# Altium PCB Stabilizer.PCBDOC (part 1 of 8)
Units mil, origin at the board's own origin, x right, y up, seen from the top; angles counter-clockwise.
Board outline 6397 x 3937 mil, 4 copper layers (Top, GP1(GND), L3, Bot), stack 64.883 mil thick; 687 components, 419 nets, 2137 pads, 1042 vias.
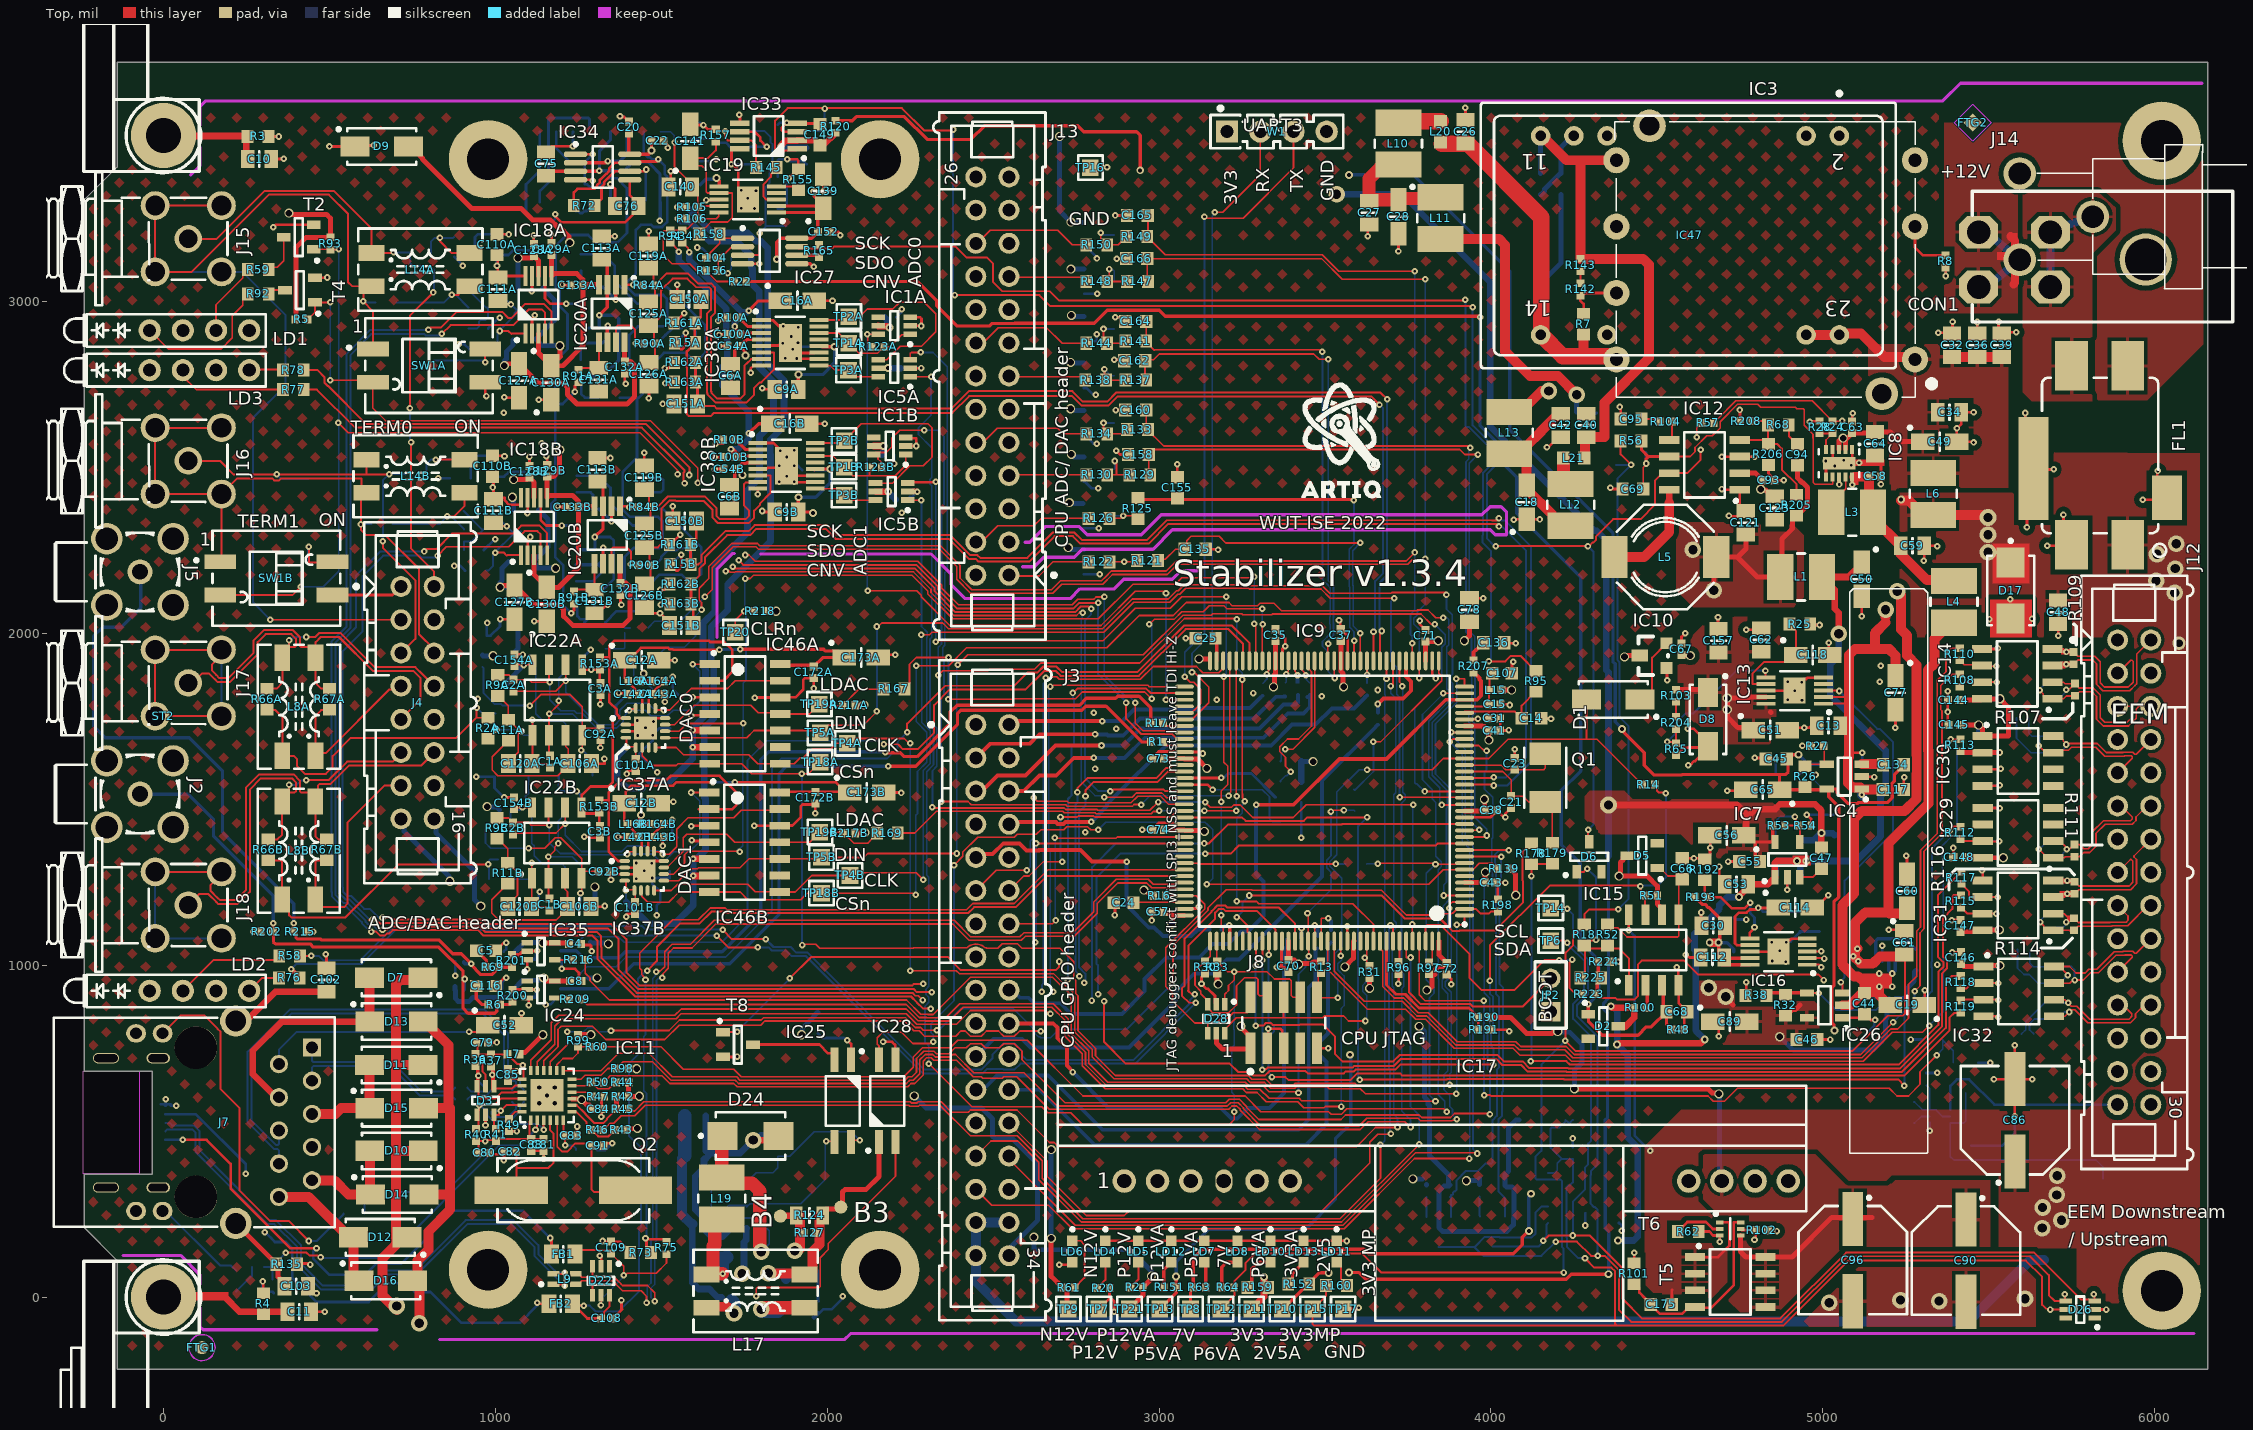
[diagram p0: Top view]
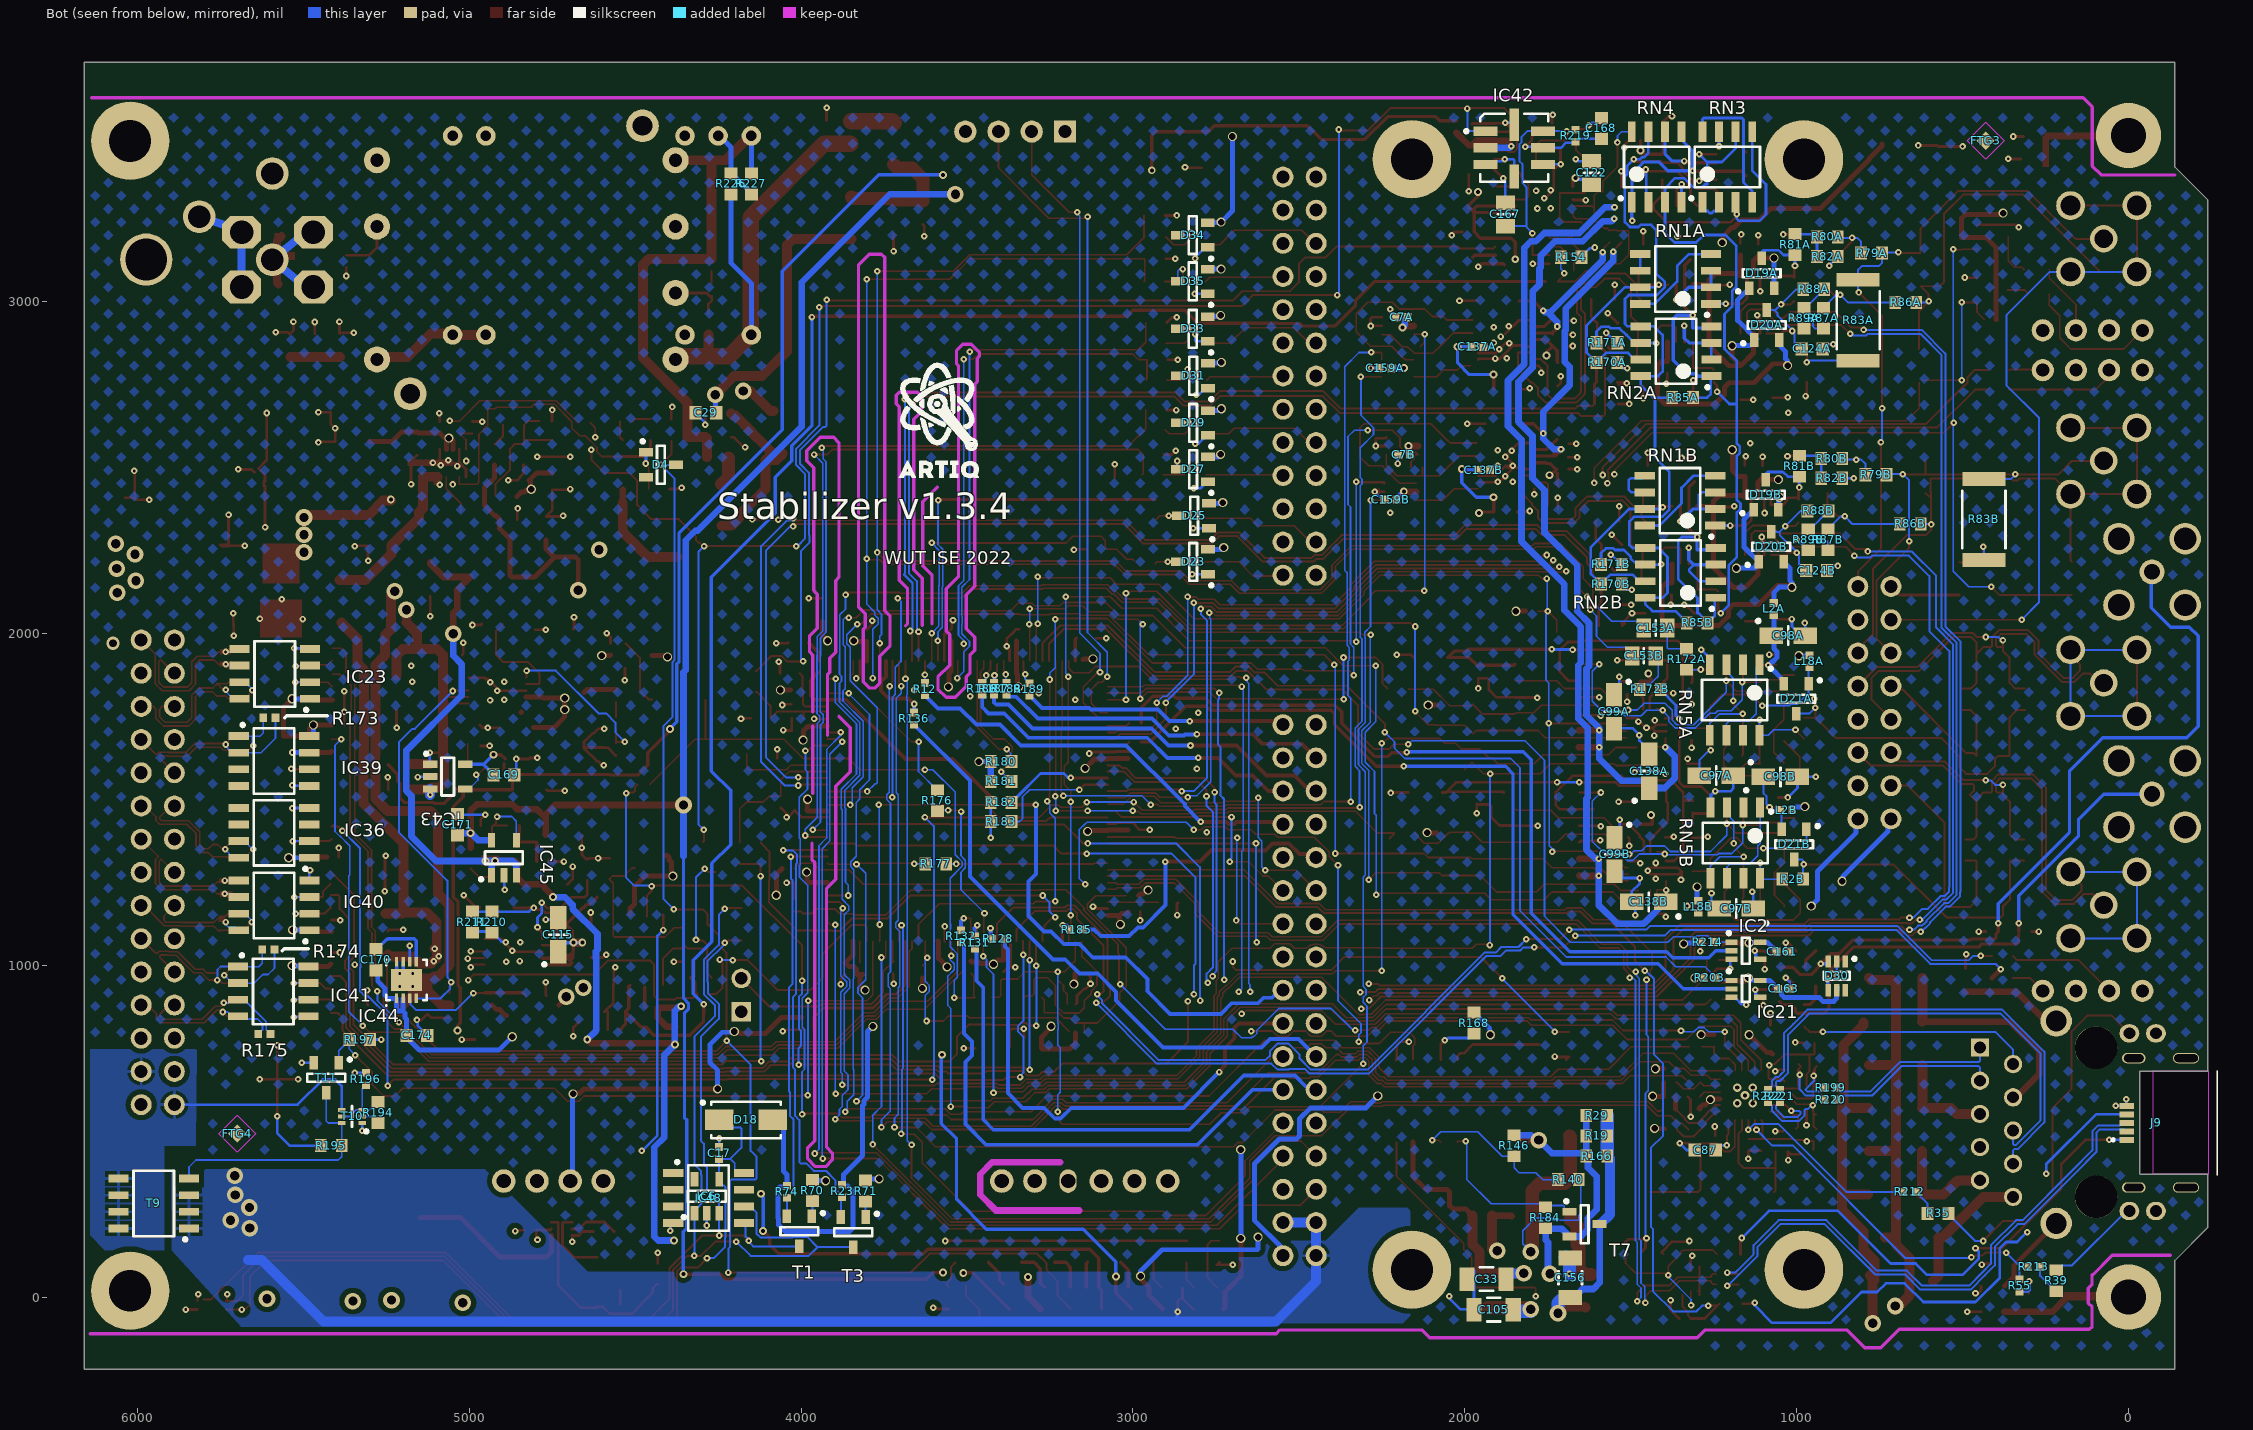
[diagram p1: Bot view, seen from below]
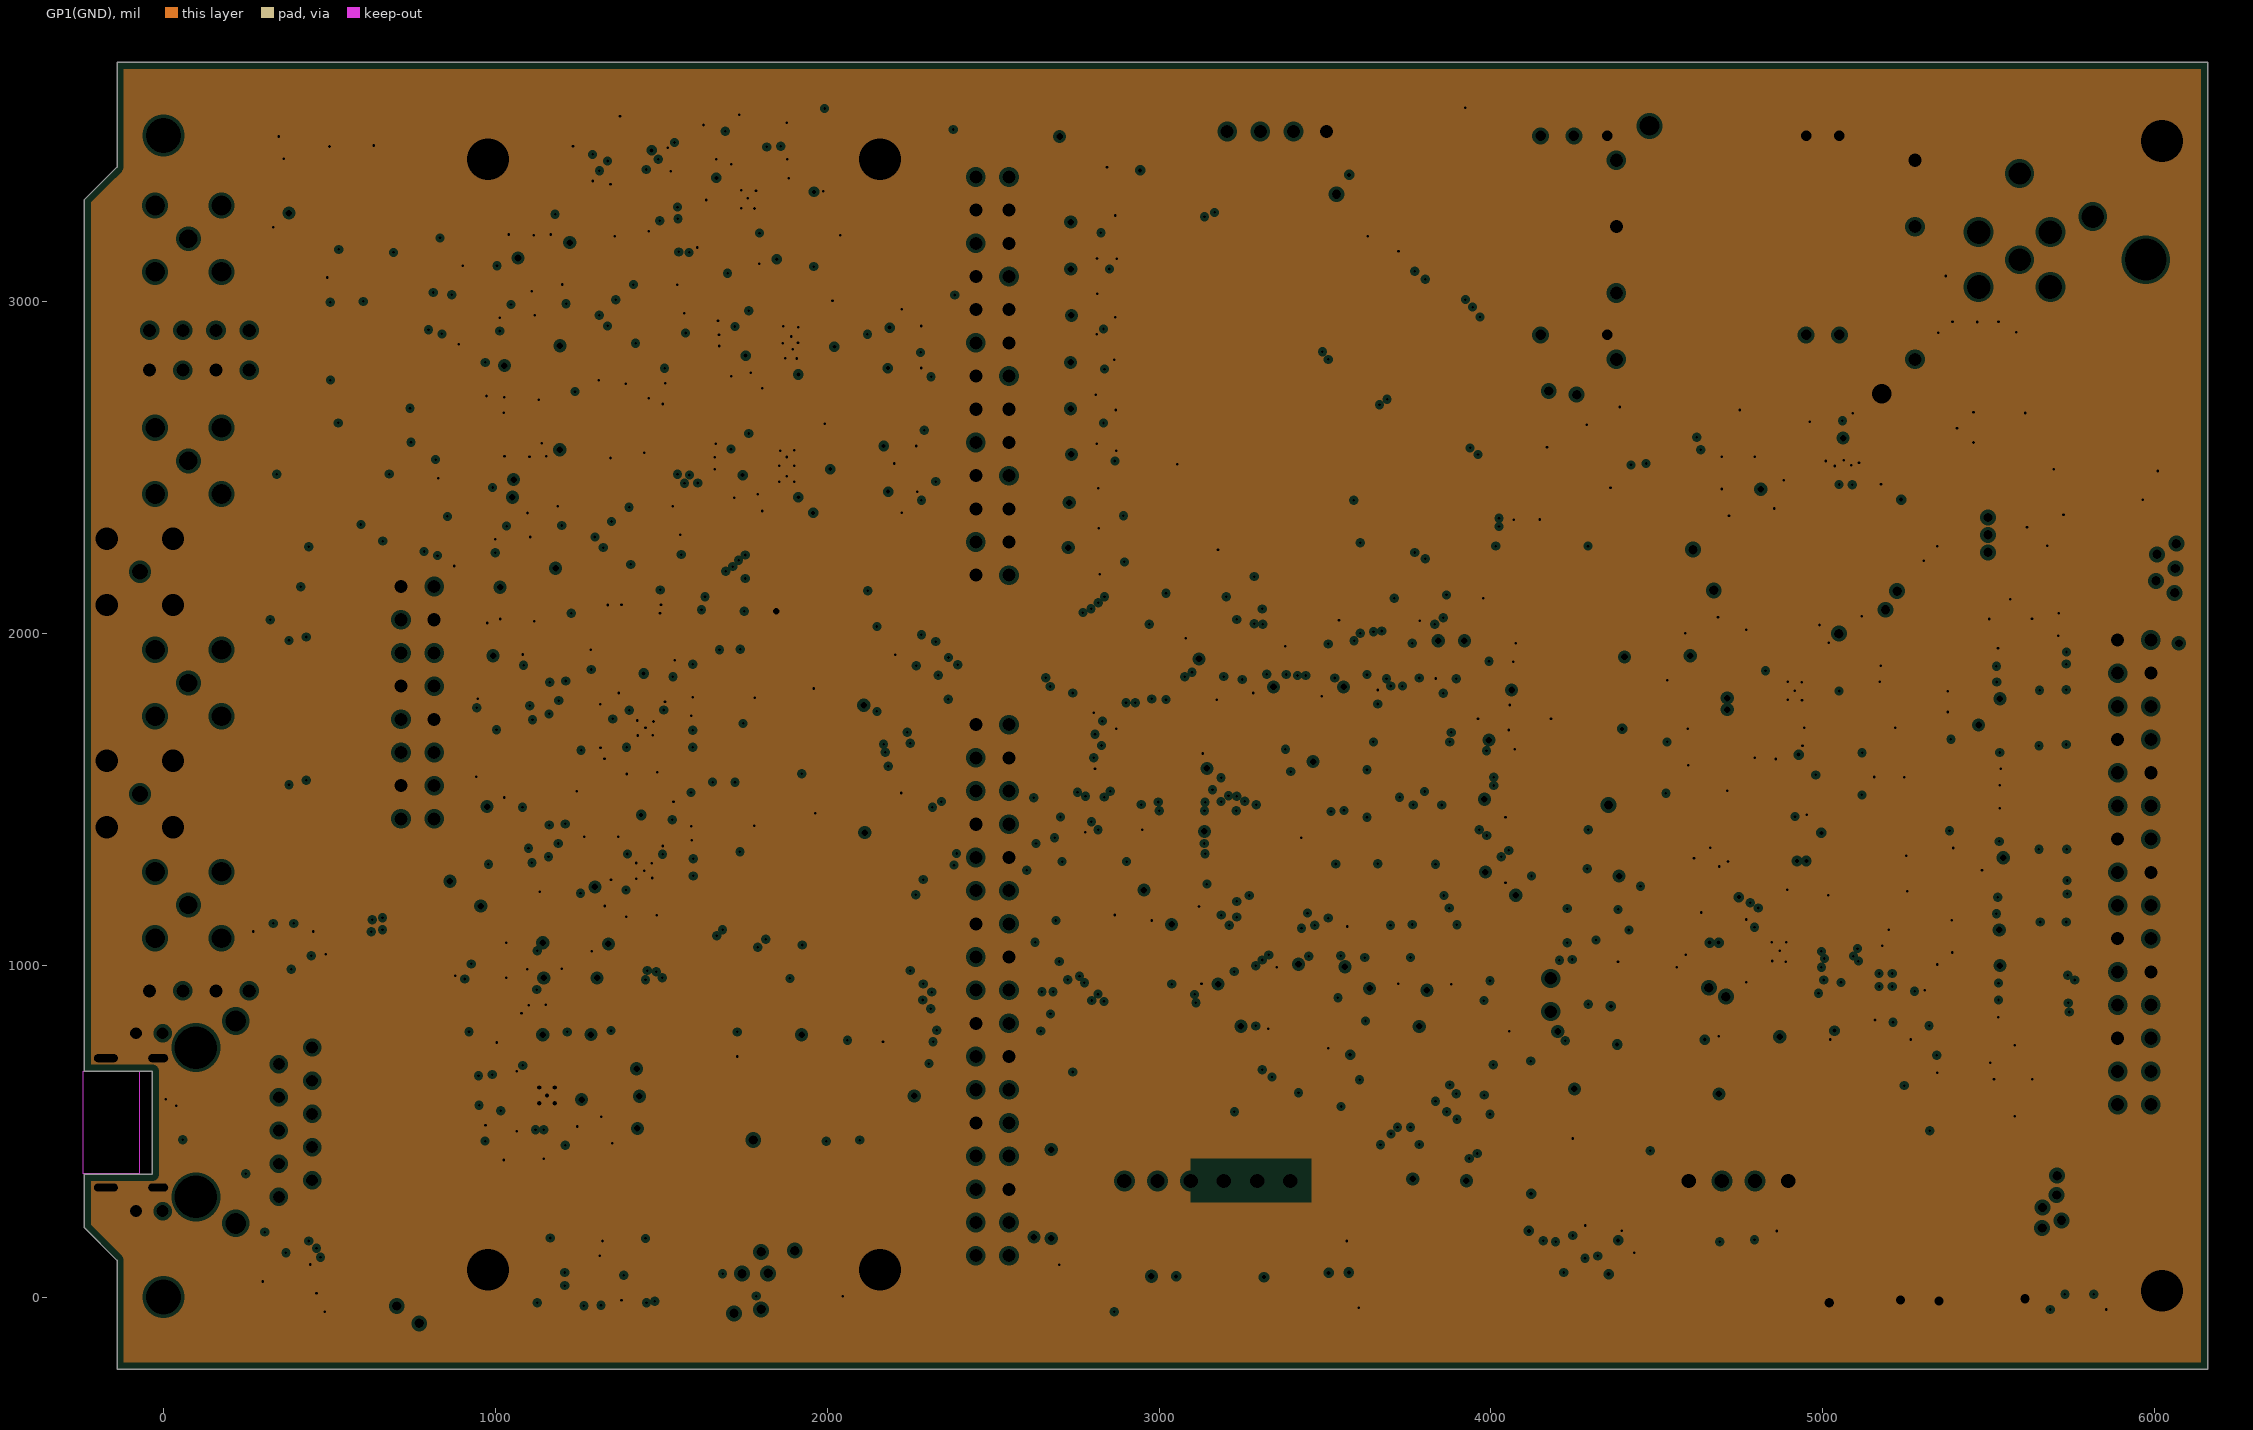
[diagram p2: GP1(GND), clearances drawn from the general rule]
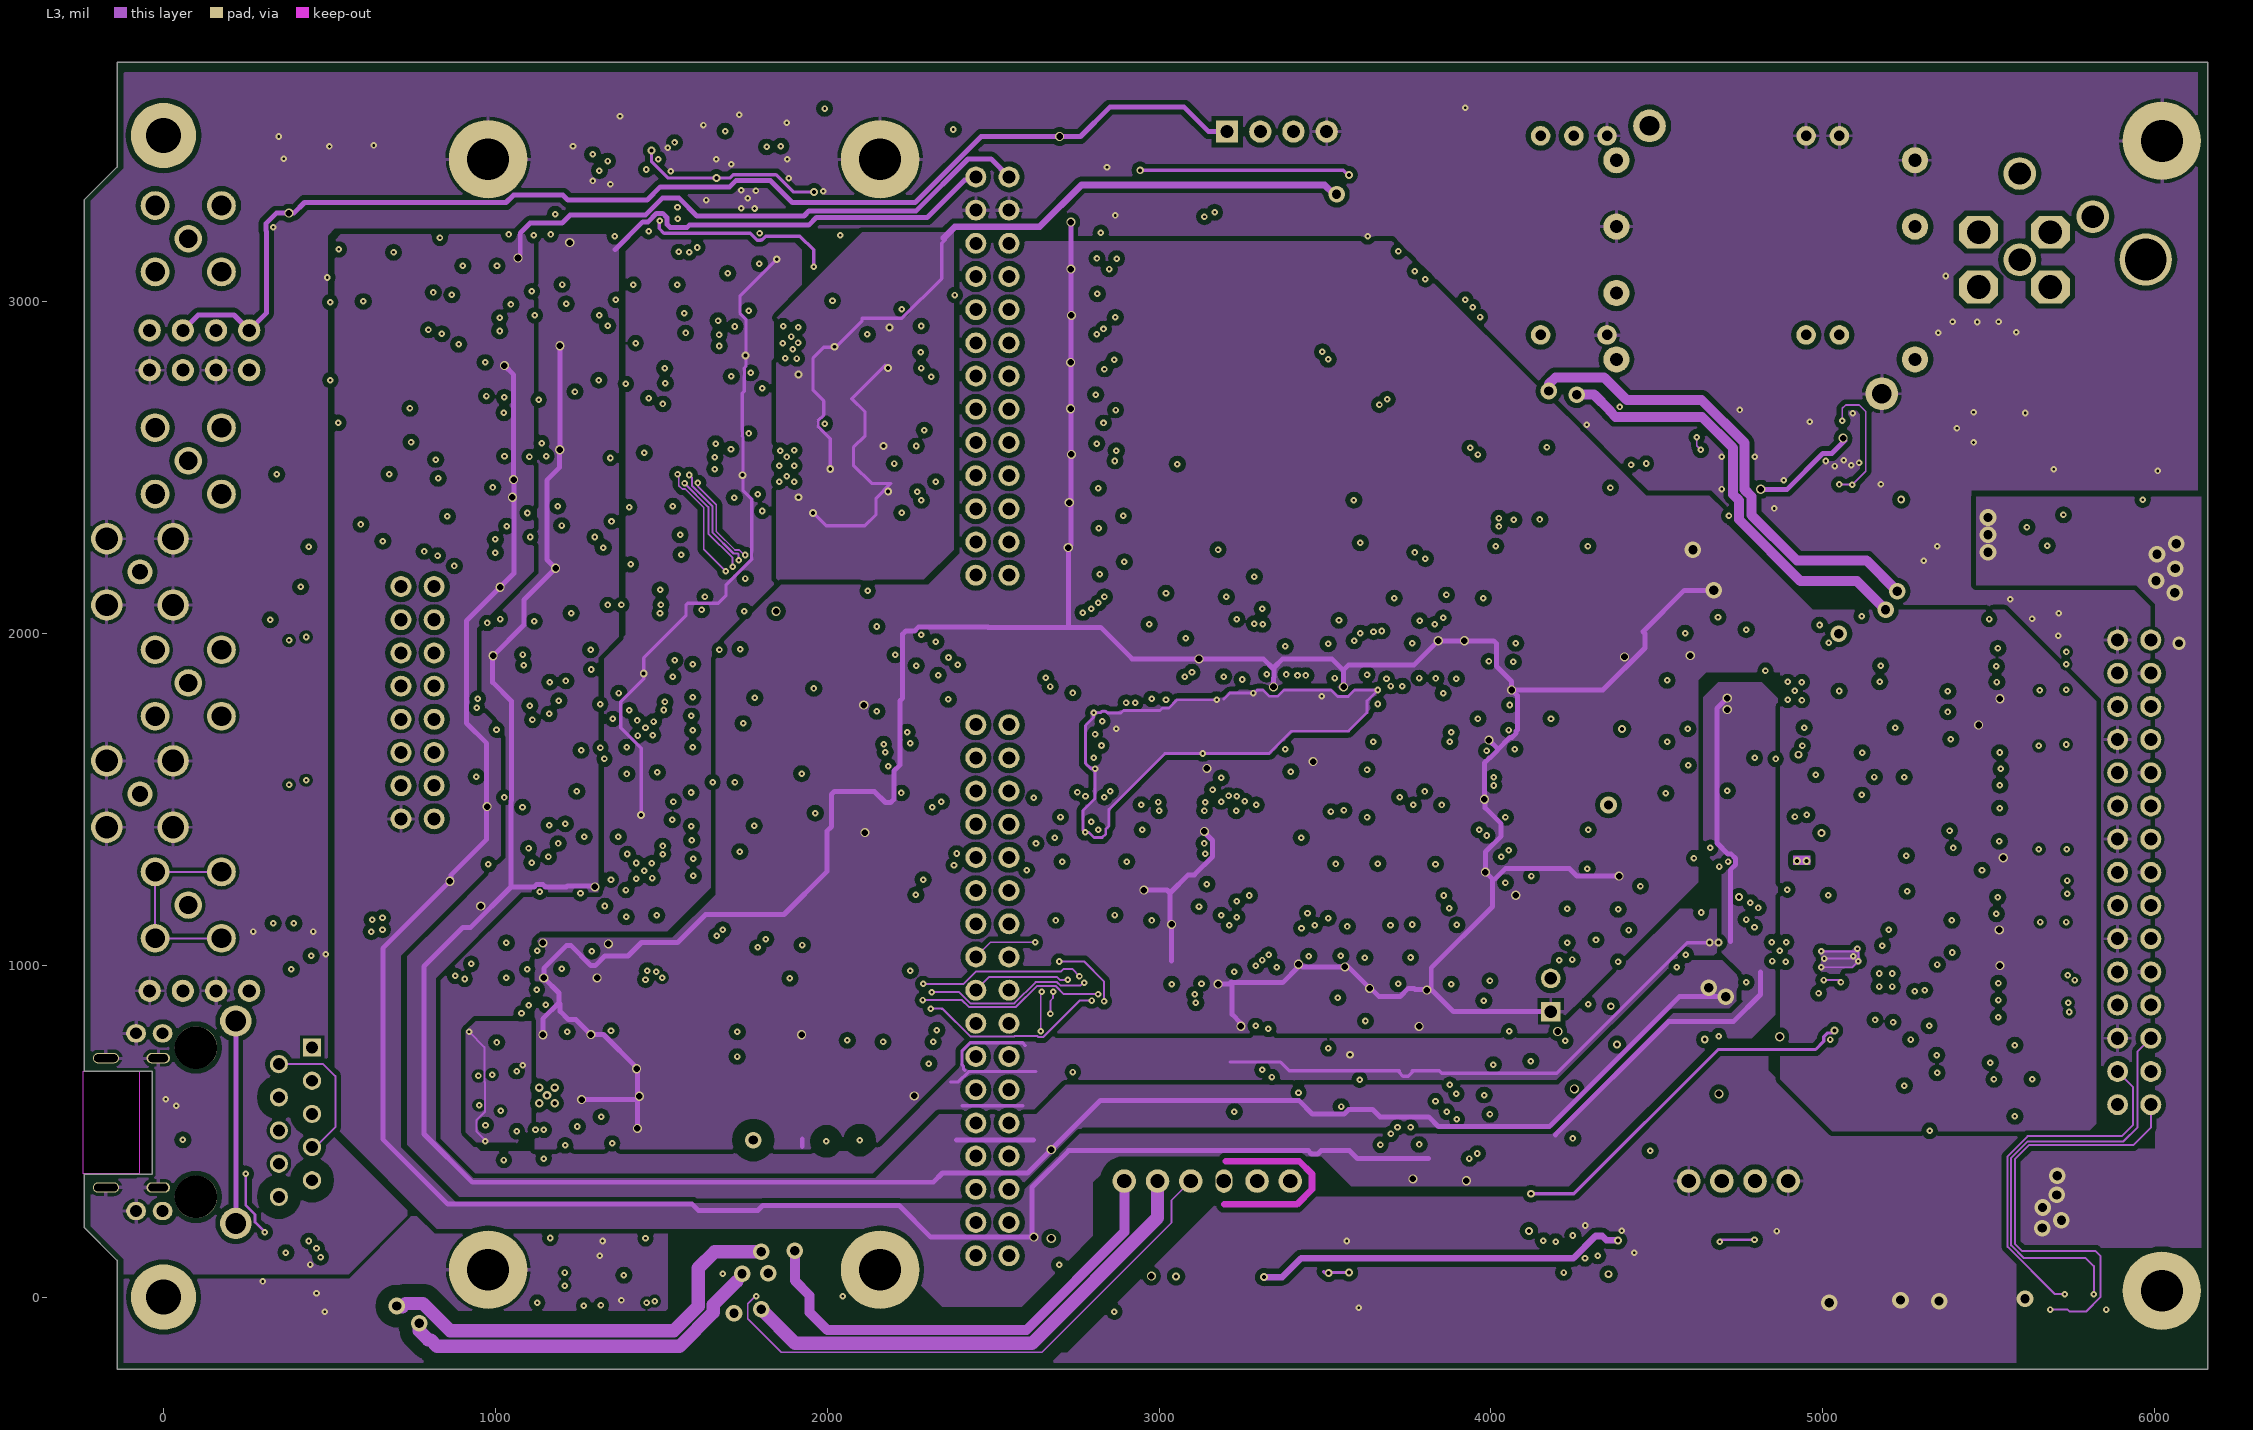
[diagram p3: L3]

## Layer stack, top to bottom
TopSolder: solder mask 0.4, Solder Resist, Dk 3.5
Top: signal copper 2.2839
Dielectric1: core 7.087, FR-4, Dk 4.2
GP1(GND): plane copper 1.417, net GND
Dielectric 3: prepreg 43.307, FR-4, Dk 4.2
L3: signal copper 1.417
Dielectric2: core 7.087, FR-4, Dk 4.2
Bot: signal copper 2.2839
BottomSolder: solder mask 0.4, Solder Resist, Dk 3.5

## Board outline
-238,209 -238,369.61 -33.27,369.61 -33.27,680.64 -238,680.64 -238,3307.05 -179.37,3365.68 -140,3405.05 -140,3720 6159,3720 6159,-217 -140,-217 -140,110.55
cut-out: -242.37,680 -233.86,680 -73.5,680 -73.5,372 -242.37,372

## Design rules (kind name [scope] priority, off if disabled: settings)
AcuteAngle [All] p1: minimum=6.00000000000000E+0001 checktracksonly=FALSE
BoardOutlineClearance [not (OnLayer('TopOverlay')  or  OnLayer('BottomOverlay') )] p1: gap=10 ignorepadtopadclearanceinfootprint=FALSE except(0: Arc-SplitContinuation Track-SplitContinuation SMDPad-SplitContinuation THPad-SplitContinuation Via-SplitContinuation Fill-SplitContinuation Poly-SplitContinuation Region-SplitContinuation Text-SplitContinuation)
Clearance Clearance_FTG [InComponent('FTG4') vs InComponent('FTG4')] p1: gap=0 ignorepadtopadclearanceinfootprint=FALSE
Clearance Clearance_HV [InNetClass('HV') vs not InNetClass('HV')] p2: gap=39.37 ignorepadtopadclearanceinfootprint=TRUE
Clearance Clearance_balancing [InNamedPolygon('balancing')            or InNamedPolygon('balancing_top')] p3: gap=11.81 ignorepadtopadclearanceinfootprint=FALSE
Clearance Clearance_DIFF [(InDifferentialPairClass('All Differential Pairs'))] p4: gap=5 ignorepadtopadclearanceinfootprint=FALSE except(0: Arc-Hole Track-Hole SMDPad-Hole THPad-Hole Via-Hole Fill-Hole Poly-Hole Region-Hole Text-Hole; 10: Arc-Poly Track-Poly SMDPad-Poly THPad-Poly Via-Poly Fill-Poly Poly-Poly Poly-Region Poly-Text)
Clearance [All] p5: gap=5 ignorepadtopadclearanceinfootprint=FALSE except(0: Arc-Hole Track-Hole SMDPad-Hole THPad-Hole Via-Hole Fill-Hole Poly-Hole Region-Hole Text-Hole; 15: Arc-Poly Track-Poly SMDPad-Poly THPad-Poly Via-Poly Fill-Poly Poly-Poly)
ComponentClearance ComponentClearance_overlapping [InComponent('IC6')  or InComponent('J14') or InComponent('IC47') vs InComponent('IC48')   or InComponent('CON1') or InComponent('IC3') or InComponent('R7') or InComponent('R143') or InComponent('R142')] p1: gap=0 collisioncheckmode=3 verticalgap=0 showdistances=FALSE
ComponentClearance [All] p2 off: gap=10 collisioncheckmode=3 verticalgap=10 showdistances=FALSE
DiffPairsRouting [All] p1: maxlimit=7 minlimit=6 mostfreqgap=6 toplayer_minwidth=5 toplayer_maxwidth=6 toplayer_prefwidth=6 midlayer1_minwidth=5 midlayer1_maxwidth=6 midlayer1_prefwidth=6 bottomlayer_minwidth=5 bottomlayer_maxwidth=6 bottomlayer_prefwidth=6 maxuncoupledlength=500
FabricationTestPointUsage TestPointUsage [All] p1: valid=0 allowmultiple=FALSE
FabricationTestpoint Testpoint [All] p1: side=3 testpointundercomponent=TRUE minsize=40 maxsize=100 preferedsize=60 minholesize=20 maxholesize=40 preferedholesize=32 testpointgrid=1 allowsidetop=TRUE allowsidebottom=TRUE usegrid=TRUE gridtolerance=0.01
Height [All] p1 off: minheight=0 maxheight=1000 prefheight=500
HoleSize [All] p1: absolutevalues=TRUE maxlimit=150 minlimit=1 maxpercent=80.000 minpercent=20.000
HoleToHoleClearance [All] p1: gap=1 allowstackedmicrovias=TRUE
MinimumSolderMaskSliver [All] p1: minsoldermaskwidth=0
PlaneClearance PlaneClearance_HV [InNetClass('HV')] p1: clearance=39.37
PlaneClearance [All] p2: clearance=10
PlaneConnect [All] p1: planeconnectstyle=Direct reliefexpansion=20 reliefentries=4 reliefconductorwidth=10 reliefairgap=10
PolygonConnect PolygonConnect_pad [(InPadClass('All Pads'))] p1: connectstyle=Relief reliefconductorwidth=10 reliefentries=4 polygonreliefangle="90 Angle" airgapwidth=10
PolygonConnect [All] p2: connectstyle=Direct reliefconductorwidth=10 reliefentries=4 polygonreliefangle="45 Angle" airgapwidth=10
RoomDefinition Supply_Stabilizer [InComponentClass('Supply_Stabilizer')] p1 off: confinementstyle=ConfineIn formatcopy=TRUE lockcomponents=FALSE outline -4140,-6217 -2140,-6217 -2140,-5217 -4140,-5217
RoomDefinition ADC_1CH2 [InComponentClass('ADC_1CH2')] p2 off: confinementstyle=ConfineIn formatcopy=TRUE lockcomponents=FALSE outline 1653.45,2292.16 2230.9,2292.16 2230.9,2646.49 1653.45,2646.49
RoomDefinition ADC_1CH1 [InComponentClass('ADC_1CH1')] p3 off: confinementstyle=ConfineIn formatcopy=TRUE lockcomponents=FALSE outline 1653.31,2661.98 2230.76,2661.98 2230.76,3016.31 1653.31,3016.31
RoomDefinition USB [InComponentClass('USB')] p4 off: confinementstyle=ConfineIn formatcopy=TRUE lockcomponents=FALSE outline 1029.15,-118.57 1625.94,-118.57 1625.94,213.69 1029.15,213.69
RoomDefinition U_References [InComponentClass('U_References')] p5 off: confinementstyle=ConfineIn formatcopy=TRUE lockcomponents=FALSE outline 2036.57,3069.78 2036.57,3573.77 1082.29,3573.77 1082.29,3069.78
RoomDefinition U_AUX_Analog_IO [InComponentClass('U_AUX_Analog_IO')] p6 off: confinementstyle=ConfineIn formatcopy=TRUE lockcomponents=FALSE outline 2934.68,1717.63 2207.22,1717.63 2207.22,3424.4 2934.68,3424.4
RoomDefinition Input_AFE1 [InComponentClass('Input_AFE1')] p7 off: confinementstyle=ConfineIn formatcopy=TRUE lockcomponents=FALSE outline 547.96,1979 1660.37,1979 1660.37,2577.63 547.96,2577.63
RoomDefinition Input_AFE0 [InComponentClass('Input_AFE0')] p8 off: confinementstyle=ConfineIn formatcopy=TRUE lockcomponents=FALSE outline 561.12,2646.91 1673.54,2646.91 1673.54,3245.53 561.12,3245.53
RoomDefinition EEM_connector [InComponentClass('EEM_connector')] p9 off: confinementstyle=ConfineIn formatcopy=TRUE lockcomponents=FALSE outline 5590.48,110.08 6070.63,110.08 6070.63,2102.88 5590.48,2102.88
RoomDefinition DAC_1CH1 [InComponentClass('DAC_1CH1')] p10 off: confinementstyle=ConfineIn formatcopy=TRUE lockcomponents=FALSE outline 547.29,1129.94 1631.65,1129.94 1631.65,1535.43 547.29,1535.43
RoomDefinition DAC_1CH0 [InComponentClass('DAC_1CH0')] p11 off: confinementstyle=ConfineIn formatcopy=TRUE lockcomponents=FALSE outline 549.05,1560.56 1633.42,1560.56 1633.42,1966.06 549.05,1966.06
RoomDefinition CPU [InComponentClass('CPU')] p12 off: confinementstyle=ConfineIn formatcopy=TRUE lockcomponents=FALSE outline 2797.63,706.74 2797.63,2183.11 3849.95,2183.11 3849.95,706.74
RoomDefinition Stabilizer [InComponentClass('Stabilizer')] p13 off: confinementstyle=ConfineIn formatcopy=TRUE lockcomponents=FALSE outline 656.45,-160.6 -31.73,-160.6 -31.73,3515.48 656.45,3515.48
RoomDefinition RMII_Ethernet [InComponentClass('RMII_Ethernet')] p14 off: confinementstyle=ConfineIn formatcopy=TRUE lockcomponents=FALSE outline 1492.67,762.3 777.77,762.3 777.77,220.05 1492.67,220.05
RoutingVias "Schematic Routing Via Style_1" [InNetClass('Hpower')] p1: holewidth=19.68 width=27.56 viastyle="Through Hole" minholewidth=19.68 minwidth=27.56 maxholewidth=28 maxwidth=50
RoutingVias "Schematic Routing Via Style" [InNetClass('Lpower')] p2: holewidth=11.81 width=23.62 viastyle="Through Hole" minholewidth=11.81 minwidth=23.62 maxholewidth=28 maxwidth=50
RoutingVias [All] p3: holewidth=7.87 width=19.68 viastyle="Through Hole" minholewidth=7.87 minwidth=19.68 maxholewidth=28 maxwidth=50
SilkToSilkClearance [All] p1: silktosilkclearance=0
SilkToSolderMaskClearance SilkscreenOverComponentPads [IsPad] p1: minsilkscreentomaskgap=0 clearancetoexposedcopper=TRUE
SolderMaskExpansion [All] p1: expansion=2 istentingtop=FALSE
Width "Schematic Width Constraint_1" [InNetClass('Hpower')] p1: maxlimit=50 minlimit=15 preferedwidth=20
Width "Schematic Width Constraint" [InNetClass('Lpower')] p2: maxlimit=20 minlimit=10 preferedwidth=15
Width Z50R [InNetClass('SPI')] p3: maxlimit=11.73 minlimit=8.71 preferedwidth=11.73 toplayer_minwidth=11.73 midlayer1_maxwidth=8.71 midlayer1_prefwidth=8.71 bottomlayer_minwidth=11.73 impedanceprofiledriven=TRUE impedanceprofileid={0EAE177B-5537-4F3A-BB17-587E98DE51B5} impedanceprofilevalue=50.000000 minimp=50.000000 maximp=50.000000 favimp=50.000000
Width [All] p4: maxlimit=50 minlimit=5 preferedwidth=5
18 further rules are at their usual default settings.
